# KiCad board EKO_Miner_PowerBoard-53667.kicad_pcb (continued)
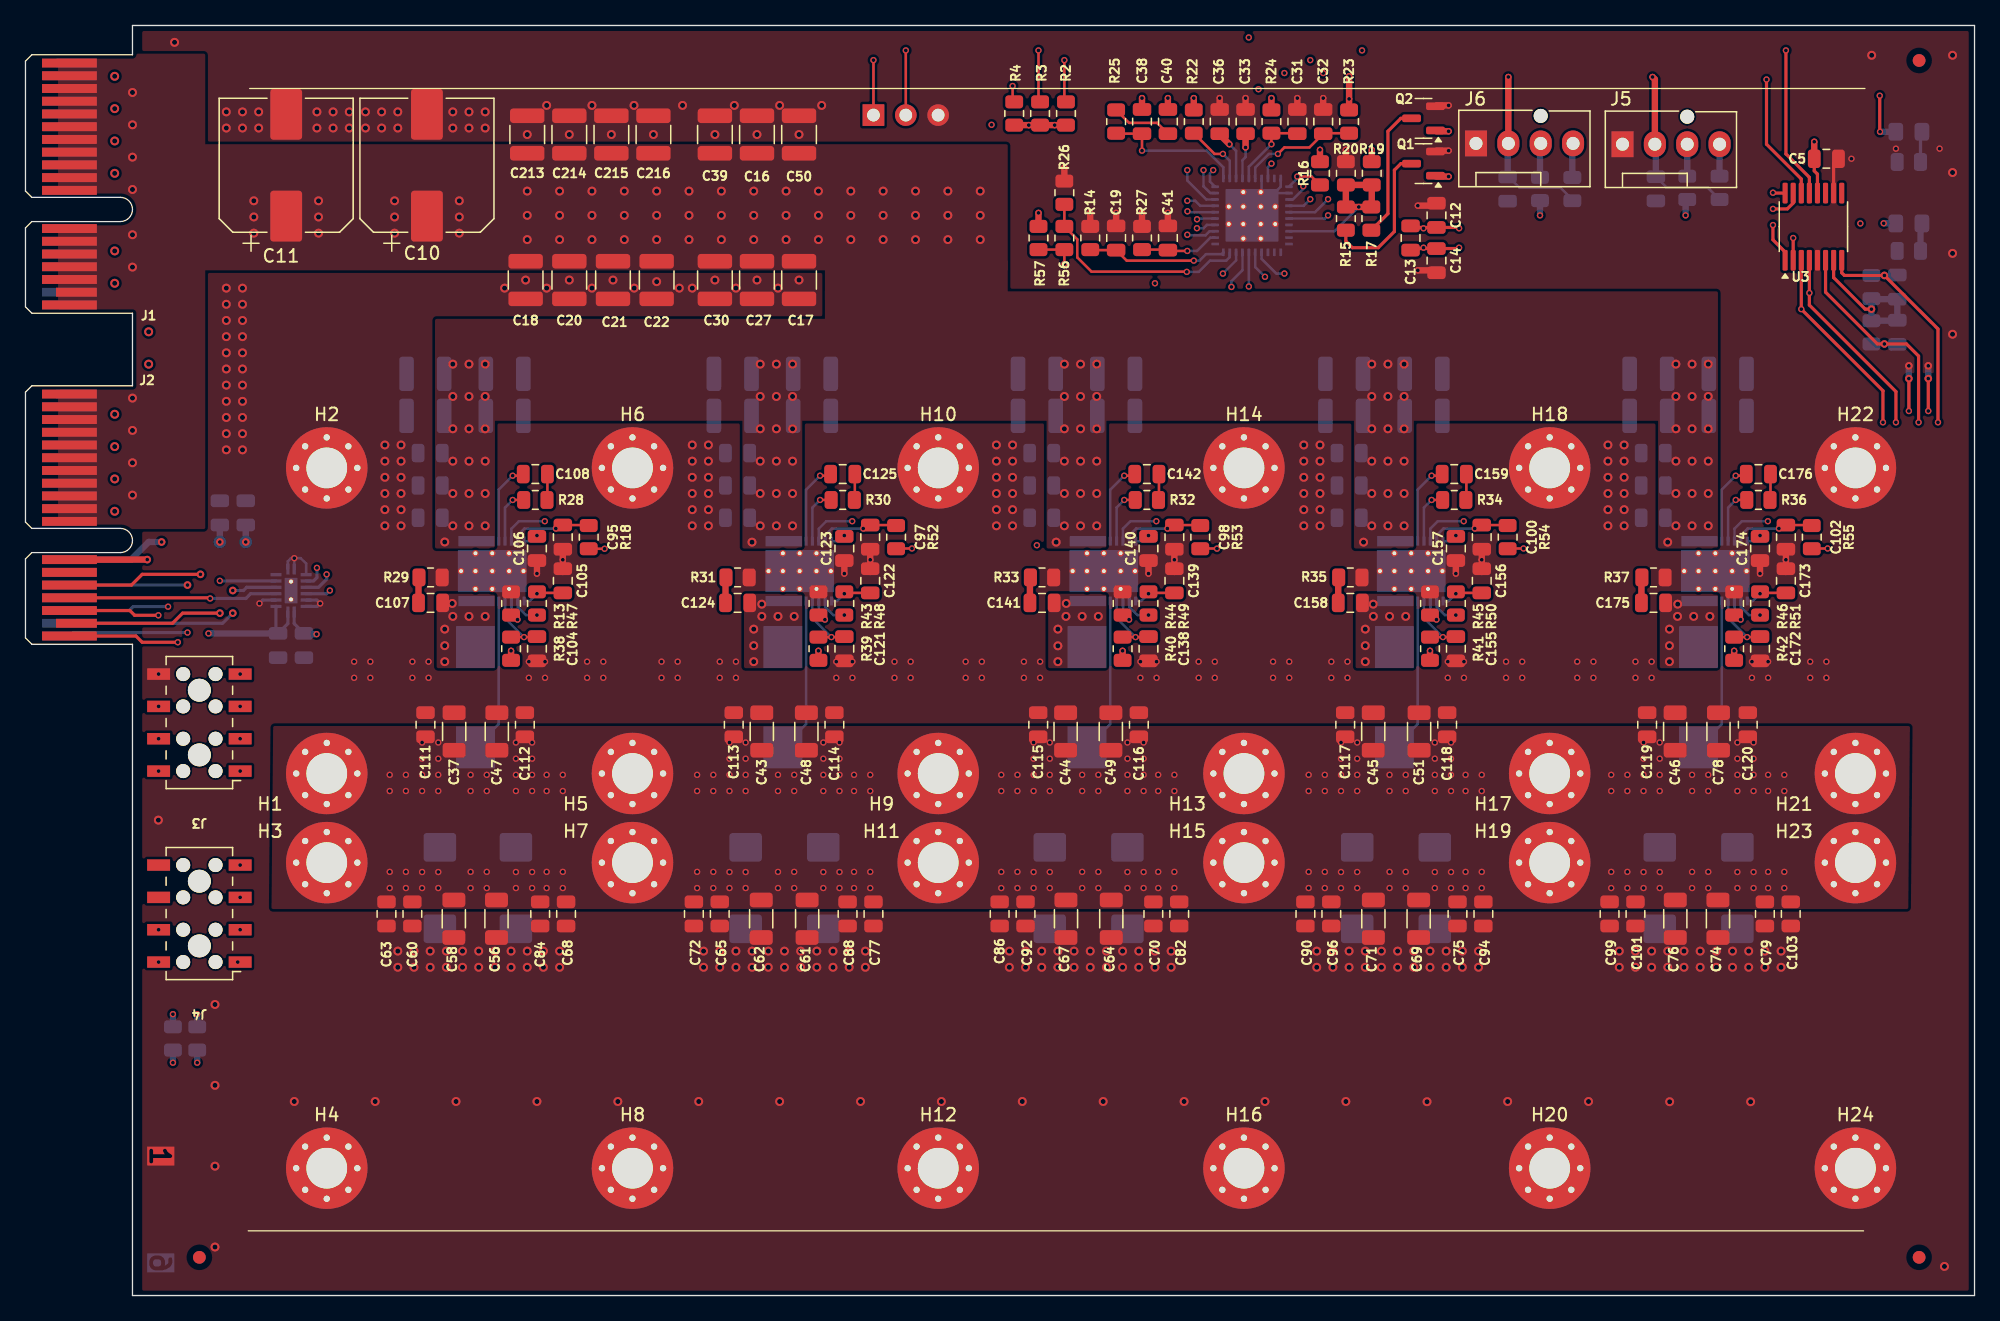
[diagram p0: board, top side]
## Library data of the parts (continued)
J5 J6 = -: PARTNO: 0470531000; DK: WM4330-ND; ki_fp_filters: Connector*:*_1x??_*
J9 = -: Description: Generic connector, single row, 01x03, script generated (kicad-library-utils/schlib/autogen/connector/); ki_fp_filters: Connector*:*_1x??_*
L1-L5 = -: P/N MOUSER: 504-FP1008R5-R220-R; Height: 5.1mm; ki_fp_filters: Choke_* *Coil* Inductor_* L_*
NT3 NT4 = -: Description: Net tie, 2 pins; ki_fp_filters: Net*Tie*
Q1 Q2 = -: Datasheet: https://www.onsemi.com/pub/Collateral/BSS138-D.PDF; Description: 50V Vds, 0.22A Id, N-Channel MOSFET, SOT-23; ki_fp_filters: SOT?23*
R1-R10 R15-R17 R21 = -: ki_fp_filters: R_*
R11 R12 = -: Description: Resistor, small symbol; P/N MOUSER: 603-RT0805DRE0751RL; ki_fp_filters: R_*
R13 R43-R46 = -: Description: Resistor; Distributor: D; P/N MOUSER: 279-CRG0805F100K; ki_fp_filters: R_*
R14 = -: Description: Resistor; Distributor: D; P/N DIGIKEY: RMCF0805FT121KCT-ND; P/N MOUSER: 603-RT0805FRE07121KL; ki_fp_filters: R_*
R18 R52-R55 = -: Description: Resistor; Distributor: D; ki_fp_filters: R_*
R19 = -: P/N MOUSER: 603-RC0805FR-0716K5L; ki_fp_filters: R_*
R20 = -: P/N MOUSER: 603-RC0805FR-0724K3L; ki_fp_filters: R_*
R22 = -: Description: Resistor; Distributor: D; P/N DIGIKEY: 311-2.55KCRCT-ND; P/N MOUSER: 667-ERJ-P06F2551V; ki_fp_filters: R_*
R23 R24 = -: Description: Resistor; Manufacturer: RCS08052R20FKEA; P/N MOUSER: 71-RCS08052R20FKEA; ki_fp_filters: R_*
R25 = -: Description: Resistor; P/N MOUSER: 603-RC0805FR-078K06L; ki_fp_filters: R_*
R26 = -: Description: Resistor; P/N MOUSER: 279-CRG0805F100K; ki_fp_filters: R_*
R27 = -: Description: Resistor; Distributor: D; P/N DIGIKEY: 311-49.9KCRCT-ND; P/N MOUSER: 652-CR0805FX-4992ELF; ki_fp_filters: R_*
R28 R30 R32 R34 R36 R47-R51 R56 R57 = -: Description: Resistor; Distributor: D; P/N MOUSER: 71-CRCW08050000Z0ECC; ki_fp_filters: R_*
R29 R31 R33 R35 R37 = -: Description: Resistor; Distributor: D; P/N MOUSER: 791-WR08W1R00FTL; ki_fp_filters: R_*
R38-R42 = -: Description: Resistor; Manufacturer: WR08W1R00FTL; P/N MOUSER: 791-WR08W1R00FTL; ki_fp_filters: R_*
TP4 TP5 = -: ki_fp_filters: Pin* Test*
U2 = -: Datasheet: https://www.ti.com/lit/ds/symlink/sn74avc4t245.pdf; Description: 4-Bit Dual-Supply Bus Transceiver With Configurable Voltage Translation and 3-State Outputs, WQFN16; P/N MOUSER: 595-SN74AXC4T245BQBR; ki_fp_filters: TSSOP*4.4x5mm*P0.65mm*
U3 = -: MF: Maxim Integrated Products; Description_1: Fan Control, Temp Monitor -40°C ~ 125°C Internal and External Sensor SMBus Output 16-QSOP; Package: None; Price: None; MP: MAX6615AEE+; Check_prices: https://www.snapeda.com/parts/MAX6615AEE+/Analog+Devices/view-part/?ref=eda; P/N MOUSER: 700-MAX6615AEE
U4 = -: MF: Texas Instruments; MAXIMUM_PACKAGE_HEIGHT: 0.8mm; Package: WQFN-40 Texas Instruments; Price: None; Check_prices: https://www.snapeda.com/parts/TPS53667RTAR/Texas+Instruments/view-part/?ref=eda; STANDARD: Manufacturer Recommendations; PARTREV: B; Description_1: 6-Phase, D-CAP+ step-down driverless buck controller with NVM and PMBus interface for ASIC; P/N MOUSER: 595-TPS53667RTAT
U9-U13 = -: P/N MOUSER: 595-CSD95490Q5MC; Field5: Designator322; ki_fp_filters: DMC0012A

## Footprints (pads in the part's own frame, mm; a bottom-side part is the same pattern mirrored in y, then rotated)
BUS_PCIexpress_x1
  rect 0.7x3.2 smd far side: A1(0,0.55)
  rect 0.7x4.3 smd far side: A2(1,0) A3(2,0) A4(3,0) A5(4,0) A6(5,0) A7(6,0) A8(7,0) A9(8,0) A10(9,0) A11(10,0) A12(13,0) A13(14,0) A14(15,0) A15(16,0) A16(17,0) A17(18,0) A18(19,0)
  rect 0.7x4.3 smd: B1(0,0) B2(1,0) B3(2,0) B4(3,0) B5(4,0) B6(5,0) B7(6,0) B8(7,0) B9(8,0) B10(9,0) B11(10,0) B12(13,0) B13(14,0) B14(15,0) B15(16,0) B16(17,0) B18(19,0)
  rect 0.7x3.2 smd: B17(18,0.55)
C_0805_2012Metric
  rrect 1x1.45 smd: 1(-0.95,0) 2(0.95,0)
C_1206_3216Metric
  rrect 1.15x1.8 smd: 1(-1.475,0) 2(1.475,0)
C_1210_3225Metric
  rrect 1.15x2.7 smd: 1(-1.475,0) 2(1.475,0)
CP_EIA-7343-31_Kemet-D_Pad2.25x2.55mm_HandSolder
  rrect 2.25x2.55 smd: 1(-3.2,0) 2(3.2,0)
CP_Elec_10x10
  rrect 4x2.5 smd: 1(-4,0) 2(4,0)
CSD95490Q5MC
  rect 0.7x0.25 smd: 1(-2.35,2.501) 2(-2.35,2.001) 3(-2.35,1.5) 4(-2.35,1) 5(-2.35,0.5) 8(2.35,0.5) 9(2.35,1) 10(2.35,1.5) 11(2.35,2.001) 12(2.35,2.501)
  rect 0.8x2.85 smd: 6(-2.35,-1.25) 7(2.35,-1.25)
  round 0.5 hole 0.3: 13(-1.4,-1.32) 13(-1.4,0) 13(-1.4,1.32) 13(0,2.45) 13(0,-2.45) 13(0,0) 13(0,1.32) 13(0,-1.32) 13(1.4,0) 13(1.4,1.32) 13(1.4,-1.32)
  rect 3.3x5.4 smd: 13(0,0)
FanPinHeader_1x04_P2.54mm_Vertical
  round 1.1 hole 1.1 unplated: (5.08,2.16)
  rect 1.73x2.03 hole 1.02: 1(0,0)
  oval 1.73x2.03 hole 1.02: 2(2.54,0) 3(5.08,0) 4(7.62,0)
Fiducial_1mm_Mask2mm
  round 1 smd: (0,0)
INDM1031X765N
  rect 3.3x3.05 smd: 1(-3.935,0) 2(3.935,0)
LED_0805_2012Metric_Pad1.15x1.40mm_HandSolder
  rrect 1.15x1.4 smd: 1(-1.025,0) 2(1.025,0)
M20_7810445
  round 1.1 hole 1.1 unplated: (-1.27,3.81) (-1.27,1.27) (-1.27,-1.27) (-1.27,-3.81) (1.27,3.81) (1.27,1.27) (1.27,-1.27) (1.27,-3.81)
  round 1.8 hole 1.8 unplated: (0,2.54) (0,-2.54)
  rect 1.8x0.9 smd: 1(-3.2,3.81) 2(3.2,3.81) 3(-3.2,1.27) 4(3.2,1.27) 5(-3.2,-1.27) 6(3.2,-1.27) 7(-3.2,-3.81) 8(3.2,-3.81)
MountingHole_3.2mm_M3_Pad_Via
  round 0.8 hole 0.5: 1(-2.4,0) 1(-1.697,1.697) 1(-1.697,-1.697) 1(0,2.4) 1(0,-2.4) 1(1.697,1.697) 1(1.697,-1.697) 1(2.4,0)
  round 6.4 hole 3.2: 1(0,0)
NetTie-2_SMD_Pad0.5mm
  round 0.5 smd: 1(-0.5,0) 2(0.5,0)
PinHeader_1x03_P2.54mm_Vertical
  rect 1.7x1.7 hole 1: 1(0,0)
  oval 1.7x1.7 hole 1: 2(0,-2.54) 3(0,-5.08)
QFN50P350X250X80-17N
  rrect 0.26x0.86 smd: 1(-0.25,1.685) 8(-0.25,-1.685) 9(0.25,-1.685) 16(0.25,1.685)
  rrect 0.86x0.26 smd: 2(-1.185,1.25) 3(-1.185,0.75) 4(-1.185,0.25) 5(-1.185,-0.25) 6(-1.185,-0.75) 7(-1.185,-1.25) 10(1.185,-1.25) 11(1.185,-0.75) 12(1.185,-0.25) 13(1.185,0.25) 14(1.185,0.75) 15(1.185,1.25)
  round 0.4 hole 0.3: 9(0,-0.7) 9(0,0.7)
  rect 1x2 smd: 9(0,0)
QSOP-16_3.9x4.9mm_P0.635mm
  rrect 1.625x0.4 smd: 1(-2.638,2.223) 2(-2.638,1.587) 3(-2.638,0.953) 4(-2.638,0.318) 5(-2.638,-0.318) 6(-2.638,-0.953) 7(-2.638,-1.587) 8(-2.638,-2.223) 9(2.638,-2.223) 10(2.638,-1.587) 11(2.638,-0.953) 12(2.638,-0.318) 13(2.638,0.318) 14(2.638,0.953) 15(2.638,1.587) 16(2.638,2.223)
R_0805_2012Metric
  rrect 1.025x1.4 smd: 1(-0.912,0) 2(0.912,0)
SOT-23
  rrect 1.475x0.6 smd: 1(-0.938,0.95) 2(-0.938,-0.95) 3(0.938,0)
TestPoint_Pad_D1.0mm
  round 1 smd: 1(0,0)
TPS53667RTAR
  rrect 0.6x0.22 smd: 1(-2.9,2.25) 2(-2.9,1.75) 3(-2.9,1.25) 4(-2.9,0.75) 5(-2.9,0.25) 6(-2.9,-0.25) 7(-2.9,-0.75) 8(-2.9,-1.25) 9(-2.9,-1.75) 10(-2.9,-2.25) 21(2.9,-2.25) 22(2.9,-1.75) 23(2.9,-1.25) 24(2.9,-0.75) 25(2.9,-0.25) 26(2.9,0.25) 27(2.9,0.75) 28(2.9,1.25) 29(2.9,1.75) 30(2.9,2.25)
  rrect 0.22x0.6 smd: 11(-2.25,-2.9) 12(-1.75,-2.9) 13(-1.25,-2.9) 14(-0.75,-2.9) 15(-0.25,-2.9) 16(0.25,-2.9) 17(0.75,-2.9) 18(1.25,-2.9) 19(1.75,-2.9) 20(2.25,-2.9) 31(2.25,2.9) 32(1.75,2.9) 33(1.25,2.9) 34(0.75,2.9) 35(0.25,2.9) 36(-0.25,2.9) 37(-0.75,2.9) 38(-1.25,2.9) 39(-1.75,2.9) 40(-2.25,2.9)
  round 0.5 hole 0.3: 41(-1.825,-0.685) 41(-1.825,0.685) 41(-0.685,-1.825) 41(-0.685,-0.685) 41(-0.685,0.685) 41(-0.685,1.825) 41(0.685,-1.825) 41(0.685,-0.685) 41(0.685,0.685) 41(0.685,1.825) 41(1.825,-0.685) 41(1.825,0.685)
  rrect 4.15x4.15 smd: 41(0,0)

## Nets
+3V3: C3.1 C5.1 C33.1 D1.2 R2.2 R3.2 R4.2 R7.2 R8.2 R16.1 R57.2 U2.1 U2.2 U3.12 U4.14 U4.23
+5V_PSU: C55.1 J2.A12 TP4.1
+5V_STDBY: C53.1 J2.B12 J3.2 R24.1 R38.1 R39.1 R40.1 R41.1 R42.1 TP5.1
+12V_PWR: C1.1 C2.1 C8.1 C9.1 C10.1 C11.1 C15.1 C16.1 C17.1 C18.1 C20.1 C21.1 C22.1 C23.1 C24.1 C25.1 C26.1 C27.1 C28.1 C29.1 C30.1 C34.1 C35.1 C39.1 C42.1 C50.1 C52.1 C54.1 C57.1 C59.1 C66.1 C73.1 C80.1 C132.1 C133.1 C134.1 C135.1 C191.1 C192.1 C203.1 C204.1 C205.1 C206.1 C207.1 C208.1 C209.1 C210.1 C211.1 C212.1 C213.1 C214.1 C215.1 C216.1 J1.B1 J1.B2 J1.B3 J1.B4 J1.B5 J1.B6 J1.B7 J1.B8 J1.B9 J1.B10 J1.B11 J1.B12 J1.B13 J1.B14 J1.B15 J1.B16 J1.B17 J1.B18 J2.B1 J2.B2 J2.B3 J2.B4 J2.B5 J2.B6 J2.B7 J2.B8 J2.B9 J2.B10 J2.B11 J5.2 J6.2 R9.2 R10.2 R23.1 U9.7 U10.7 U11.7 U12.7 U13.7
GND: C1.2 C2.2 C3.2 C4.2 C5.2 C8.2 C9.2 C10.2 C11.2 C12.1 C14.2 C15.2 C16.2 C17.2 C18.2 C19.2 C20.2 C21.2 C22.2 C23.2 C24.2 C25.2 C26.2 C27.2 C28.2 C29.2 C30.2 C31.1 C32.2 C33.2 C34.2 C35.2 C36.2 C37.2 C39.2 C41.2 C42.2 C43.2 C44.2 C45.2 C46.2 C47.2 C48.2 C49.2 C50.2 C51.2 C52.2 C53.2 C54.2 C55.2 C56.2 C57.2 C58.2 C59.2 C60.2 C61.2 C62.2 C63.2 C64.2 C65.2 C66.2 C67.2 C68.2 C69.2 C70.2 C71.2 C72.2 C73.2 C74.2 C75.2 C76.2 C77.2 C78.2 C79.2 C80.2 C82.2 C84.2 C86.2 C88.2 C90.2 C92.2 C94.2 C95.1 C96.2 C97.1 C98.1 C99.2 C100.1 C101.2 C102.1 C103.2 C104.2 C105.2 C106.2 C109.2 C110.2 C111.2 C112.2 C113.2 C114.2 C115.2 C116.2 C117.2 C118.2 C119.2 C120.2 C121.2 C122.2 C123.2 C126.2 C127.2 C132.2 C133.2 C134.2 C135.2 C138.2 C139.2 C140.2 C143.2 C144.2 C155.2 C156.2 C157.2 C160.2 C161.2 C172.2 C173.2 C174.2 C177.2 C178.2 C191.2 C192.2 C203.2 C204.2 C205.2 C206.2 C207.2 C208.2 C209.2 C210.2 C211.2 C212.2 C213.2 C214.2 C215.2 C216.2 H2.1 H4.1 H6.1 H8.1 H10.1 H12.1 H14.1 H16.1 H18.1 H20.1 H22.1 H24.1 J1.A1 J1.A2 J1.A3 J1.A4 J1.A5 J1.A6 J1.A7 J1.A8 J1.A9 J1.A10 J1.A11 J1.A12 J1.A13 J1.A14 J1.A15 J1.A16 J1.A17 J1.A18 J2.A1 J2.A2 J2.A3 J2.A4 J2.A5 J2.A6 J2.A7 J2.A8 J2.A9 J2.A10 J2.A11 J3.8 J5.1 J6.1 J9.3 NT3.1 NT4.1 Q1.2 Q2.2 R1.1 R13.2 R14.1 R20.2 R21.1 R26.1 R27.1 R29.1 R31.1 R33.1 R35.1 R37.1 R43.2 R44.2 R45.2 R46.2 U2.3 U2.8 U2.9 U2.10 U2.14 U2.15 U3.5 U3.10 U4.17 U4.20 U4.22 U4.41 U9.13 U10.13 U11.13 U12.13 U13.13
+VLOGIC_HB: C4.1 J3.7 U2.16
+VREF: C36.1 C38.2 C40.2 C105.1 C122.1 C139.1 C156.1 C173.1 R19.1 R22.2 R47.2 R48.2 R49.2 R50.2 R51.2 U4.8 U4.13 U9.1 U10.1 U11.1 U12.1 U13.1
/ALERTn_oc: J2.B14 R4.1 U4.25
/CI: J3.3 U2.12
/CTN1: C6.1 J4.5 R5.2 U3.6
/CTN1_RTN: J4.7 NT4.2
/CTN2: C7.2 J4.1 R6.1 U3.8
/CTN2_RTN: J4.3 NT3.2
/DB_RX: J2.B17 U2.6
/DB_TX: J2.A17 U2.5
/FAN/FAN1_PWM: J6.4 R9.1 U3.1
/FAN/FAN1_TACH: J6.3 R7.1 U3.2
/FAN/FAN2_PWM: J5.4 R10.1 U3.16
/FAN/FAN2_TACH: J5.3 R8.1 U3.15
/ID0: J2.A18 Q1.1 U3.3
/ID1: J2.B18 Q2.1 U3.4
/PSU_53667/ADDR-TRISE: R15.1 R17.1 R19.2 R20.1 U4.28
/PSU_53667/FCCM: R18.1 R52.1 R53.1 R54.1 R55.1 R56.1 R57.1
/PSU_53667/TPS_CSP1: R47.1 U4.3 U9.2
/PSU_53667/TPS_CSP2: R48.1 U4.4 U10.2
/PSU_53667/TPS_CSP3: R49.1 U4.5 U11.2
/PSU_53667/TPS_CSP4: R50.1 U4.6 U12.2
/PSU_53667/TPS_CSP5: R51.1 U4.7 U13.2
/PSU_53667/TPS_PWM1: U4.38 U9.10
/PSU_53667/TPS_PWM2: U4.37 U10.10
/PSU_53667/TPS_PWM3: U4.36 U11.10
/PSU_53667/TPS_PWM4: U4.35 U12.10
/PSU_53667/TPS_PWM5: U4.34 U13.10
/PSU_53667/TSEN: C19.1 C106.1 C123.1 C140.1 C157.1 C174.1 R14.2 U4.40 U9.12 U10.12 U11.12 U12.12 U13.12
/PSU_53667/VR_RDY: D2.2 U4.18
/PSU_53667/VSENSE+: C12.2 C13.1 R11.2 U4.9
/PSU_53667/VSENSE-: C13.2 C14.1 R12.2 U4.10
/RO: J3.5 U2.11
/RST_ASICn: J2.B15 U2.4
/RST_BUCKn: J2.A14 R16.2 U4.21
/RSTIn: J3.1 U2.13
/SCL: J2.A16 J3.4 J9.1 R2.1 U3.14 U4.24
/SDA: J2.B16 J3.6 J9.2 R3.1 U3.13 U4.26
/VSN: J4.4 R12.1
/VSP: J4.2 R11.1
VPWR_ASIC: C37.1 C43.1 C44.1 C45.1 C46.1 C47.1 C48.1 C49.1 C51.1 C56.1 C58.1 C60.1 C61.1 C62.1 C63.1 C64.1 C65.1 C67.1 C68.1 C69.1 C70.1 C71.1 C72.1 C74.1 C75.1 C76.1 C77.1 C78.1 C79.1 C82.1 C84.1 C86.1 C88.1 C90.1 C92.1 C94.1 C96.1 C99.1 C101.1 C103.1 C109.1 C110.1 C111.1 C112.1 C113.1 C114.1 C115.1 C116.1 C117.1 C118.1 C119.1 C120.1 C126.1 C127.1 C143.1 C144.1 C160.1 C161.1 C177.1 C178.1 H1.1 H3.1 H5.1 H7.1 H9.1 H11.1 H13.1 H15.1 H17.1 H19.1 H21.1 H23.1 L1.2 L2.2 L3.2 L4.2 L5.2 U9.5 U10.5 U11.5 U12.5 U13.5
Net-(C40-Pad1): C40.1 R25.1
Net-(C107-Pad2): C107.2 R29.2
Net-(C108-Pad1): C108.1 R28.1
Net-(C124-Pad2): C124.2 R31.2
Net-(C125-Pad1): C125.1 R30.1
Net-(C141-Pad2): C141.2 R33.2
Net-(C142-Pad1): C142.1 R32.1
Net-(C158-Pad2): C158.2 R35.2
Net-(C159-Pad1): C159.1 R34.1
Net-(C175-Pad2): C175.2 R37.2
Net-(C176-Pad1): C176.1 R36.1
Net-(D1-K): D1.1 R1.2
Net-(D2-K): D2.1 R21.2
Net-(Q1-D): Q1.3 R15.2
Net-(Q2-D): Q2.3 R17.2
Net-(U3-REF): C6.2 C7.1 R5.1 R6.2 U3.7
Net-(U4-COMP): C38.1 R25.2 U4.11
Net-(U4-IMON): C41.1 R27.2 U4.2
Net-(U4-ISUM): R22.1 U4.12
Net-(U4-V5): C31.2 R24.2 U4.15
Net-(U4-VIN): C32.1 R23.2 U4.16
Net-(U4-~{SKIP}-NVM): R26.2 R56.2 U4.39
Net-(U9-BOOT): R28.2 U9.9
Net-(U9-BOOTR): C108.2 U9.8
Net-(U9-EN_FCCM): C95.2 R18.2 U9.11
Net-(U9-LSET): R13.1 U9.3
Net-(U9-SW): C107.1 L1.1 U9.6
Net-(U9-VDD): C104.1 R38.2 U9.4
Net-(U10-BOOT): R30.2 U10.9
Net-(U10-BOOTR): C125.2 U10.8
Net-(U10-EN_FCCM): C97.2 R52.2 U10.11
Net-(U10-LSET): R43.1 U10.3
Net-(U10-SW): C124.1 L2.1 U10.6
Net-(U10-VDD): C121.1 R39.2 U10.4
Net-(U11-BOOT): R32.2 U11.9
Net-(U11-BOOTR): C142.2 U11.8
Net-(U11-EN_FCCM): C98.2 R53.2 U11.11
Net-(U11-LSET): R44.1 U11.3
Net-(U11-SW): C141.1 L3.1 U11.6
Net-(U11-VDD): C138.1 R40.2 U11.4
Net-(U12-BOOT): R34.2 U12.9
Net-(U12-BOOTR): C159.2 U12.8
Net-(U12-EN_FCCM): C100.2 R54.2 U12.11
Net-(U12-LSET): R45.1 U12.3
Net-(U12-SW): C158.1 L4.1 U12.6
Net-(U12-VDD): C155.1 R41.2 U12.4
Net-(U13-BOOT): R36.2 U13.9
Net-(U13-BOOTR): C176.2 U13.8
Net-(U13-EN_FCCM): C102.2 R55.2 U13.11
Net-(U13-LSET): R46.1 U13.3
Net-(U13-SW): C175.1 L5.1 U13.6
Net-(U13-VDD): C172.1 R42.2 U13.4

Pads without a net: J2 A13 A15 B13; J4 6 8; U2 7; U3 9 11; U4 1 19 27 29 30 31 32 33

## Via types
v1: diameter 0.7, hole 0.4, Top to Bottom, 485 vias
v2: diameter 0.5, hole 0.3, Top to Bottom, 518 vias
v3: diameter 0.6, hole 0.3, Top to Bottom, 16 vias

## Routing (per net, layer and track width the routed paths; a pad name or vN(x,y) marks a point on that pad's centre or on a via; arc(x,y) is an arc through that point)
+3V3: length 134.5
  Top w0.25: C5.1 140.42,88.33 140.67,88.07 U3.12
  Top w0.5: 79.52,84.07 v2(79.52,85.03) ; C5.1 v2(140.42,90.62) ; v2(95.78,90.17) C33.1 ; R4.2 v2(78.76,91.92) v2(80.79,91.92) R2.2 ; 101.62,89.03 v2(101.62,89.98)
  In2.Cu w0.2: v2(145.87,84.21) 144.05,84.21 v2(144.04,84.2) ; v2(14.37,52) 14.37,52.55 13.73,53.18 13.73,55.5 14.5,56.26 14.5,92.71 16.15,94.36 73.42,94.36 v2(75.84,91.95)
  Bottom w0.2: v2(95.78,90.17) 95.78,89.41 95.53,89.17 U4.14 ; v2(100.31,87.12) 100.31,86.9 99.49,86.09 U4.23
  Bottom w0.25: C3.1 20.6,52.77 U2.1 ; U2.2 19.66,52.17
  Bottom w0.5: 130.32,86.08 v2(130.32,84.84) ; C3.1 v2(14.37,52) ; 118.89,86.08 v2(118.89,84.84) ; 146.89,84.21 v2(145.87,84.21)
+5V_PSU: length 13.7
  In3.Cu w0.5: v3(10.69,59.18) v3(15.26,59.18)
  Bottom w0.5: C55.1 v3(15.26,59.18) ; v3(10.69,59.18) 9.67,59.18 8.29,57.8 J2.A12
+5V_STDBY: length 297.6
  Top w0.5: 38.12,49.91 v2(38.12,50.64) ; J2.B12 v3(9.56,57.8) ; 62.25,49.91 v2(62.25,50.64) ; 110.25,49.91 v2(110.25,50.64) ; 134.13,49.91 v2(134.13,50.64) ; 97.81,93.09 v2(97.81,94.05) ; 86.12,49.91 v2(86.12,50.64)
  In2.Cu w0.5: v2(10.45,41.19) 9.56,42.08 v3(9.56,57.8) 9.56,59.32 10.69,60.45 10.69,94.23 15.26,98.81 v2(96.03,98.81)
  In3.Cu w0.2: 62.25,50.67 61.23,51.69 41.67,51.69 40.62,50.64 38.37,50.64 ; 86.12,50.67 85.11,51.69 79.41,51.69 79.39,51.68 65.54,51.68 64.5,50.64 v2(62.25,50.64) ; 86.38,50.64 88.63,50.64 89.68,51.69 103.4,51.69 ; 103.4,51.69 109.2,51.69 v2(110.25,50.64) 112.5,50.64 113.56,51.69 133.11,51.69 134.13,50.67 v2(134.13,50.64) ; 103.4,51.69 109.24,51.69 110.25,50.67 ; v2(38.12,50.64) 35.49,50.64 34.44,51.69 30.75,51.69 23.26,59.18 v3(17.29,59.18)
  In3.Cu w0.5: v2(96.03,98.81) 96.03,97.03 97.81,95.25 v2(97.81,94.05) ; v3(9.56,57.8) 15.91,57.8 v3(17.29,59.18)
  Bottom w0.5: C53.1 v3(17.29,59.18)
+12V_PWR: length 85.6
  Top w0.5: v2(103.9,95.76) v2(103.9,93.98) 103.9,93.09 ; J6.2 v2(116.41,95.7) ; J5.2 127.91,95.52 v2(127.72,95.7)
  In2.Cu w0.5: v2(103.9,93.98) 102.13,92.2 86.76,92.2 84.47,89.92 80.79,89.92 77.62,86.74 v1(74.95,86.74) ; v2(103.9,95.76) 116.35,95.76 v2(116.41,95.7) 116.46,95.76 127.67,95.76 v2(127.72,95.7)
  Bottom w0.2: 121.43,86.07 120.5,87 117.29,87 116.35,87.94 ; C9.1 128.86,87 132.07,87 R10.2
  Bottom w0.5: C9.1 127.99,90.34 ; 116.35,87.94 116.35,90.43
  vias: v1(8.4,94.49) v1(8.4,91.95) v1(8.4,89.41) v1(8.4,86.87) v1(8.4,83.31) v1(8.4,80.77) v1(8.4,70.48) v1(8.4,67.94) v1(8.4,65.41) v1(8.4,62.87) v1(17.93,85.98) v1(17.93,84.71) v1(17.93,83.44) v1(23.01,85.98) v1(23.01,84.71) v1(23.01,83.44) v1(28.97,85.98) v1(28.97,84.71) v1(28.97,83.44) v1(32.91,59.18) v1(33.55,73.15) v1(33.55,70.61) v1(33.55,68.07) v1(33.55,65.53) v1(33.55,62.99) v1(33.55,60.45) v1(34.05,85.98) v1(34.05,84.71) v1(34.05,83.44) v1(34.82,73.15) v1(34.82,70.61) v1(34.82,68.07) v1(34.82,65.53) v1(34.82,62.99) v1(34.82,60.45) v1(36.09,73.15) v1(36.09,70.61) v1(36.09,68.07) v1(36.09,65.53) v1(36.09,62.99) v1(36.09,60.45) v1(39.39,86.74) v1(39.39,84.84) v1(39.39,82.93) v1(41.93,86.74) v1(41.93,84.84) v1(41.93,82.93) v1(44.47,86.74) v1(44.47,84.84) v1(44.47,82.93) v1(47.01,86.74) v1(47.01,84.84) v1(47.01,82.93) v1(49.55,86.74) v1(49.55,84.84) v1(49.55,82.93) v1(52.09,86.74) v1(52.09,84.84) v1(52.09,82.93) v1(54.63,86.74) v1(54.63,84.84) v1(54.63,82.93) v1(57.03,59.17) v1(57.17,86.74) v1(57.17,84.84) v1(57.17,82.93) v1(57.68,73.15) v1(57.68,70.61) v1(57.68,68.07) v1(57.68,65.53) v1(57.68,62.99) v1(57.68,60.45) v1(58.95,73.15) v1(58.95,70.61) v1(58.95,68.07) v1(58.95,65.53) v1(58.95,62.99) v1(58.95,60.45) v1(59.71,86.74) v1(59.71,84.84) v1(59.71,82.93) v1(60.22,73.15) v1(60.22,70.61) v1(60.22,68.07) v1(60.22,65.53) v1(60.22,62.99) v1(60.22,60.45) v1(62.25,86.74) v1(62.25,84.84) v1(62.25,82.93) v1(64.79,86.74) v1(64.79,84.84) v1(64.79,82.93) v1(67.33,86.74) v1(67.33,84.84) v1(67.33,82.93) v1(69.87,86.74) v1(69.87,84.84) v1(69.87,82.93) v1(72.41,86.74) v1(72.41,84.84) v1(72.41,82.93) v1(74.95,84.84) v1(74.95,82.93) v1(80.91,59.17) v1(81.55,73.15) v1(81.55,70.61) v1(81.55,68.07) v1(81.55,65.53) v1(81.55,62.99) v1(81.55,60.45) v1(82.82,73.15) v1(82.82,70.61) v1(82.82,68.07) v1(82.82,65.53) v1(82.82,62.99) v1(82.82,60.45) v1(84.09,73.15) v1(84.09,70.61) v1(84.09,68.07) v1(84.09,65.53) v1(84.09,62.99) v1(84.09,60.45) v1(105.04,59.17) v1(105.68,73.15) v1(105.68,70.61) v1(105.68,68.07) v1(105.68,65.53) v1(105.68,62.99) v1(105.68,60.45) v1(106.95,73.15) v1(106.95,70.61) v1(106.95,68.07) v1(106.95,65.53) v1(106.95,62.99) v1(106.95,60.45) v1(108.22,73.15) v1(108.22,70.61) v1(108.22,68.07) v1(108.22,65.53) v1(108.22,62.99) v1(108.22,60.45) v1(128.91,59.17) v1(129.56,73.15) v1(129.56,70.61) v1(129.56,68.07) v1(129.56,65.53) v1(129.56,62.99) v1(129.56,60.45) v1(130.83,73.15) v1(130.83,70.61) v1(130.83,68.07) v1(130.83,65.53) v1(130.83,62.99) v1(130.83,60.45) v1(132.1,73.15) v1(132.1,70.61) v1(132.1,68.07) v1(132.1,65.53) v1(132.1,62.99) v1(132.1,60.45)
GND: length 40.9
  Top w0.25: U3.10 141.94,88.9 C5.2
  Top w0.5: 81.55,87.63 v2(81.55,88.59) ; 112.29,57.66 v2(112.29,56.7) ; 101.87,93.09 v2(101.87,94.05) ; 40.15,57.66 v2(40.15,56.7) ; 114.32,58.55 v2(114.32,57.79) 114.32,56.83 ; 99.84,93.09 v2(99.84,94.05) ; 136.16,57.66 v2(136.16,56.7) ; 93.74,93.09 v2(93.74,94.05) ; 110.76,89.92 v2(111.72,89.92) ; 95.78,93.09 v2(95.78,94.05) ; 110.25,80.52 v2(109.3,80.52) ; 66.31,58.55 v2(66.31,57.78) 66.31,56.83 ; 88.16,57.66 v2(88.16,56.7) ; 90.19,56.83 v2(90.19,57.79) 90.19,58.55 ; 103.65,89.03 v2(103.65,89.98) ; 83.58,84.07 v2(83.58,85.03) ; 110.25,85.6 v2(109.3,85.6) ; 89.68,84.07 v2(89.68,85.03) ; 85.62,84.07 v2(85.62,85.03) ; 42.18,58.55 v2(42.18,57.78) 42.18,56.83 ; 138.19,56.83 v2(138.19,57.79) 138.19,58.55 ; 64.28,57.66 v2(64.28,56.7) ; 110.76,93.47 v2(111.72,93.47) ; 87.65,84.07 v2(87.65,85.03)
  Bottom w0.2: U4.20 98.53,87.09 98.11,86.66 ; v2(21.1,57.91) 20.85,57.91 20.6,57.66 U2.8 ; v2(21.1,57.91) 21.61,57.91 22.03,57.49 U2.10 ; v2(21.1,57.91) 21.1,57.91 U2.9 ; U4.22 98.03,86.59 ; U4.17 97.03,86.73
  Bottom w0.25: U2.3 18.63,54.62 v2(18.37,54.36) ; U2.15 22.9,54.12 v2(23.13,54.36) 22.87,54.62 U2.14
  vias: v1(7,95.76) v1(7,93.22) v1(7,90.68) v1(7,88.14) v1(7,82.04) v1(7,79.5) v1(7,69.22) v1(7,66.67) v1(7,64.13) v1(7,61.59) v1(9.67,75.69) v1(9.67,73.15) v1(10.43,37.34) v1(11.7,98.42) v1(14.88,22.86) v1(14.88,16.51) v1(14.88,10.16) v1(14.88,3.81) v1(15.77,92.96) v1(15.77,91.69) v1(15.77,79.12) v1(15.77,77.85) v1(15.77,76.58) v1(15.77,75.31) v1(15.77,74.04) v1(15.77,72.77) v1(15.77,71.5) v1(15.77,70.23) v1(15.77,68.96) v1(15.77,67.69) v1(15.77,66.42) v1(17.04,92.96) v1(17.04,91.69) v1(17.04,79.12) v1(17.04,77.85) v1(17.04,76.58) v1(17.04,75.31) v1(17.04,74.04) v1(17.04,72.77) v1(17.04,71.5) v1(17.04,70.23) v1(17.04,68.96) v1(17.04,67.69) v1(17.04,66.42) v1(18.31,92.96) v1(18.31,91.69) v1(21.1,15.24) v1(22.88,92.96) v1(22.88,91.69) v1(24.15,92.96) v1(24.15,91.69) v1(25.42,92.96) v1(25.42,91.69) v1(26.69,92.96) v1(26.69,91.69) v1(27.45,15.24) v1(27.96,92.96) v1(27.96,91.69) v1(28.21,66.8) v1(28.21,65.53) v1(28.21,64.26) v1(28.21,62.99) v1(28.21,61.72) v1(28.21,60.45) v1(29.23,92.96) v1(29.23,91.69) v1(29.23,27.05) v1(29.23,25.78) v1(29.48,66.8) v1(29.48,65.53) v1(29.48,64.26) v1(29.48,62.99) v1(29.48,61.72) v1(29.48,60.45) v1(30.5,27.05) v1(30.5,25.78) v1(31.77,27.05) v1(31.77,25.78) v1(33.04,27.05) v1(33.04,25.78) v1(33.55,92.96) v1(33.55,91.69) v1(33.8,15.24) v1(34.31,27.05) v1(34.31,25.78) v1(34.82,92.96) v1(34.82,91.69) v1(35.58,27.05) v1(35.58,25.78) v1(36.09,92.96) v1(36.09,91.69) v1(36.85,27.05) v1(36.85,25.78) v1(37.61,79.12) v1(38.12,27.05) v1(38.12,25.78) v1(39.26,79.76) v1(39.39,91.19) v1(39.39,27.05) v1(39.39,25.78) v1(40.15,15.24) v1(40.66,27.05) v1(40.66,25.78) v1(40.91,93.47) v1(40.91,79.12) v1(41.93,27.05) v1(41.93,25.78) v1(42.69,91.19) v1(42.69,79.76) v1(44.47,93.47) v1(44.47,79.12) v1(45.99,91.19) v1(46.12,79.76) v1(46.5,15.24) v1(47.77,93.47) v1(47.78,79.12) v1(49.29,91.19) v1(49.55,79.63) v1(51.33,79.12) v1(51.58,93.47) v1(52.34,79.12) v1(52.34,66.8) v1(52.34,65.53) v1(52.34,64.26) v1(52.34,62.99) v1(52.34,61.72) v1(52.34,60.45) v1(52.85,15.24) v1(53.23,27.05) v1(53.23,25.78) v1(53.61,66.8) v1(53.61,65.53) v1(53.61,64.26) v1(53.61,62.99) v1(53.61,61.72) v1(53.61,60.45) v1(54.12,91.19) v1(54.12,79.76) v1(54.5,27.05) v1(54.5,25.78) v1(55.64,93.47) v1(55.77,79.12) v1(55.77,27.05) v1(55.77,25.78) v1(57.04,27.05) v1(57.04,25.78) v1(57.42,91.19) v1(57.42,79.76) v1(58.31,27.05) v1(58.31,25.78) v1(59.07,79.12) v1(59.2,93.47) v1(59.2,15.24) v1(59.58,27.05) v1(59.58,25.78) v1(60.72,91.19) v1(60.72,79.76) v1(60.85,27.05) v1(60.85,25.78) v1(62.12,27.05) v1(62.12,25.78) v1(62.5,93.47) v1(63.39,27.05) v1(63.39,25.78) v1(64.66,27.05) v1(64.66,25.78) v1(65.55,15.24) v1(65.93,27.05) v1(65.93,25.78) v1(71.9,15.24) v1(76.22,66.8) v1(76.22,65.53) v1(76.22,64.26) v1(76.22,62.99) v1(76.22,61.72) v1(76.22,60.45) v1(77.23,27.05) v1(77.23,25.78) v1(77.49,66.8) v1(77.49,65.53) v1(77.49,64.26) v1(77.49,62.99) v1(77.49,61.72) v1(77.49,60.45) v1(78.25,15.24) v1(78.5,27.05) v1(78.5,25.78) v1(79.77,27.05) v1(79.77,25.78) v1(81.04,27.05) v1(81.04,25.78) v1(82.31,27.05) v1(82.31,25.78) v1(83.58,27.05) v1(83.58,25.78) v1(84.6,15.24) v1(84.85,27.05) v1(84.85,25.78) v1(86.12,27.05) v1(86.12,25.78) v1(87.39,27.05) v1(87.39,25.78) v1(88.66,27.05) v1(88.66,25.78) v1(89.93,27.05) v1(89.93,25.78) v1(90.95,15.24) v1(97.3,15.24) v1(100.35,66.8) v1(100.35,65.53) v1(100.35,64.26) v1(100.35,62.99) v1(100.35,61.72) v1(100.35,60.45) v1(101.36,27.05) v1(101.36,25.78) v1(101.62,66.8) v1(101.62,65.53) v1(101.62,64.26) v1(101.62,62.99) v1(101.62,61.72) v1(101.62,60.45) v1(102.63,27.05) v1(102.63,25.78) v1(103.65,15.24) v1(103.9,27.05) v1(103.9,25.78) v1(105.17,27.05) v1(105.17,25.78) v1(106.44,27.05) v1(106.44,25.78) v1(107.71,27.05) v1(107.71,25.78) v1(108.98,27.05) v1(108.98,25.78) v1(110.02,15.22) v1(110.25,27.05) v1(110.25,25.78) v1(111.52,27.05) v1(111.52,25.78) v1(112.79,27.05) v1(112.79,25.78) v1(114.06,27.05) v1(114.06,25.78) v1(116.35,15.24) v1(122.7,15.24) v1(124.22,66.8) v1(124.22,65.53) v1(124.22,64.26) v1(124.22,62.99) v1(124.22,61.72) v1(124.22,60.45) v1(125.11,27.05) v1(125.11,25.78) v1(125.49,66.8) v1(125.49,65.53) v1(125.49,64.26) v1(125.49,62.99) v1(125.49,61.72) v1(125.49,60.45) v1(126.38,27.05) v1(126.38,25.78) v1(127.65,27.05) v1(127.65,25.78) v1(128.92,27.05) v1(128.92,25.78) v1(129.07,15.22) v1(130.19,27.05) v1(130.19,25.78) v1(131.46,27.05) v1(131.46,25.78) v1(132.73,27.05) v1(132.73,25.78) v1(134,27.05) v1(134,25.78) v1(135.27,27.05) v1(135.27,25.78) v1(135.42,15.22) v1(136.54,27.05) v1(136.54,25.78) v1(137.81,27.05) v1(137.81,25.78) v1(144.93,97.41) v1(150.64,2.29) v1(151.28,97.41) v1(151.28,88.2) v1(151.28,81.85) v1(151.28,75.5) v2(10.45,48.81) v2(25.8,49.78) v2(25.8,48.51) v2(27.07,49.78) v2(27.07,48.51) v2(30.37,49.78) v2(30.37,48.51) v2(31.64,49.78) v2(31.64,48.51) v2(39.52,49.78) v2(39.52,48.51) v2(40.79,49.78) v2(40.79,48.51) v2(44.09,49.78) v2(44.09,48.51) v2(45.36,49.78) v2(45.36,48.51) v2(49.93,49.78) v2(49.93,48.51) v2(51.2,49.78) v2(51.2,48.51) v2(54.5,49.78) v2(54.5,48.51) v2(55.77,49.78) v2(55.77,48.51) v2(63.65,49.78) v2(63.65,48.51) v2(64.91,49.78) v2(64.91,48.51) v2(68.22,49.78) v2(68.22,48.51) v2(69.49,49.78) v2(69.49,48.51) v2(73.81,49.78) v2(73.81,48.51) v2(75.08,49.78) v2(75.08,48.51) v2(78.38,49.78) v2(78.38,48.51) v2(79.65,49.78) v2(79.65,48.51) v2(87.52,49.78) v2(87.52,48.51) v2(88.79,49.78) v2(88.79,48.51) v2(92.09,49.78) v2(92.09,48.51) v2(93.36,49.78) v2(93.36,48.51) v2(97.94,49.78) v2(97.94,48.51) v2(99.21,49.78) v2(99.21,48.51) v2(102.51,49.78) v2(102.51,48.51) v2(103.78,49.78) v2(103.78,48.51) v2(111.65,49.78) v2(111.65,48.51) v2(112.92,49.78) v2(112.92,48.51) v2(116.22,49.78) v2(116.22,48.51) v2(117.49,49.78) v2(117.49,48.51) v2(121.81,49.78) v2(121.81,48.51) v2(123.08,49.78) v2(123.08,48.51) v2(126.38,49.78) v2(126.38,48.51) v2(127.65,49.78) v2(127.65,48.51) v2(135.53,49.78) v2(135.53,48.51) v2(136.8,49.78) v2(136.8,48.51) v2(140.1,49.78) v2(140.1,48.51) v2(141.37,49.78) v2(141.37,48.51) v2(143.34,89.28) v2(146.83,90.07) v2(150.26,90.07) v3(147.85,73.02) v3(149.37,73.02)
+VLOGIC_HB: length 10.2
  In2.Cu w0.5: v2(16.85,48.81) 19.72,48.81 v2(22.85,51.94)
  Bottom w0.25: U2.16 21.1,52.77 C4.1
  Bottom w0.5: 21.92,51.94 v2(22.85,51.94)
+VREF: length 162.7
  Top w0.2: 88.22,55.18 C139.1 ; 136.23,55.18 C173.1 ; 112.35,55.18 C156.1 ; 64.35,55.18 C122.1 ; 40.22,55.18 C105.1
  Top w0.5: 93.74,91.19 v2(94.51,90.42) ; 105.68,89.03 v2(105.68,89.98) ; 87.65,93.09 v2(87.65,94.05) ; 89.68,93.09 v2(89.68,94.05) ; 91.71,93.09 v2(91.71,94.05)
  In2.Cu w0.2: v2(88.16,55.12) 88.71,55.67 88.71,57.36 87.14,58.93 87.14,77.98 v2(88.66,79.5)
  In3.Cu w0.2: v2(91.2,88.39) 88.66,85.85 v2(88.66,79.5)
  In3.Cu w0.4: v2(136.16,55.12) 135.13,56.15 113.31,56.15 v2(112.29,55.12) 111.26,56.15 89.18,56.15 v2(88.16,55.12) 87.13,56.15 65.31,56.15 v2(64.28,55.12) 63.25,56.15 41.18,56.15 v2(40.15,55.12)
  Bottom w0.2: U12.1 111.71,54.55 v2(112.29,55.12) ; U4.13 95.03,89.9 v2(94.51,90.42) ; U13.1 135.59,54.55 v2(136.16,55.12) ; U10.1 63.71,54.55 v2(64.28,55.12) ; v2(40.15,55.12) 39.58,54.55 U9.1 ; v2(91.2,88.39) 91.2,87.57 92.69,86.09 U4.8 ; U11.1 87.58,54.55 v2(88.16,55.12)
/ALERTn_oc: length 151.3
  Top w0.2: 77.49,93.88 v2(77.49,95)
  Top w0.25: v3(13.73,56.64) 9.16,56.64 8.32,55.8 J2.B14
  In2.Cu w0.2: v2(101.87,96.01) 100.86,96.01 100.31,95.46 77.95,95.46 v2(77.49,95)
  In2.Cu w0.25: v3(13.73,56.64) 13.73,92.71 16.02,95 v2(77.49,95)
  In3.Cu w0.2: v2(102.25,86.11) 102.25,88.01 102.76,88.52 102.76,94.36 101.87,95.25 v2(101.87,96.01)
  Bottom w0.2: v2(102.25,86.11) 101.23,85.09 U4.25
/CI: length 19.1
  In2.Cu w0.2: v2(16.85,43.73) 17.33,43.73 24.1,50.5 24.1,54.2 23.1,55.2 23.1,56.1 23.64,56.64 v2(23.64,56.64)
  Bottom w0.25: U2.12 23,55.62 23.64,56.26 v2(23.64,56.64)
/CTN1: length 240.4
  Top w0.25: U3.6 141.31,78.8 145.37,74.74 v3(145.93,74.74) 147.66,74.74 148.61,73.79 v2(148.61,68.58)
  In2.Cu w0.2: v2(148.61,68.58) 148.61,67.94 149.33,67.22 149.33,6.65 146.41,3.72 20.62,3.72 17.61,6.73 17.61,30.51 v2(16.85,31.27)
  Bottom w0.2: R5.2 v3(145.93,74.74) 146.9,74.74
/CTN1_RTN: length 226.2
  Top w0.25: v3(147.85,72.02) v2(147.85,69.47)
  In2.Cu w0.2: 18.43,6.48 20.79,4.12 146.24,4.12 148.93,6.81 148.93,66.86 147.85,67.94 v2(147.85,69.47) ; 18.43,6.49 18.01,6.91 18.01,32.65 v2(16.85,33.81)
/CTN2: length 238
  Top w0.25: U3.8 142.58,80.33 142.79,80.12 v3(145.93,80.12) 150.13,75.91 v2(150.13,68.58)
  In2.Cu w0.2: v2(16.66,26.19) 16.66,6.54 20.28,2.92 146.74,2.92 150.13,6.32 v2(150.13,68.58)
  Bottom w0.2: R6.1 v3(145.93,80.12) 146.9,80.12
/CTN2_RTN: length 223.2
  Top w0.25: v3(149.37,72.02) v2(149.37,69.47)
  In2.Cu w0.2: v2(149.37,69.47) 149.37,68.07 149.73,67.71 149.73,6.48 146.57,3.32 20.46,3.32 17.21,6.56 17.21,28.37 v2(16.85,28.73)
/DB_RX: length 18.5
  Top w0.25: v3(15.26,53.59) 12.34,53.59 11.54,52.8 J2.B17
  In2.Cu w0.25: v3(15.26,53.59) v2(15.26,56.13)
  Bottom w0.2: v2(15.26,56.13) 15.27,56.12
  Bottom w0.25: 15.27,56.12 U2.6
/DB_TX: length 18.4
  In2.Cu w0.25: v3(16.27,55.37) v3(16.27,53.59)
  Bottom w0.25: v3(16.27,55.37) 17.11,55.37 17.36,55.62 U2.5 ; J2.A17 15.48,52.8 v3(16.27,53.59)
/FAN/FAN1_PWM: length 23.4
  Top w0.25: v2(137.18,84.07) 137.18,82.91 138.13,81.96
  In2.Cu w0.25: v2(137.18,84.07) 135.4,84.07 131.08,88.39 123.58,88.39 J6.4
  Bottom w0.5: 121.43,87.9 121.43,90.43
/FAN/FAN1_TACH: length 27.2
  Top w0.25: U3.2 v2(138.77,83.06)
  In2.Cu w0.25: J6.3 122.06,87.38 130.7,87.38 135.02,83.06 v2(138.77,83.06)
  Bottom w0.5: 118.89,87.91 118.89,90.43
/FAN/FAN2_PWM: length 9.3
  Top w0.25: v2(137.18,86.61) 137.21,86.58 U3.16
  In2.Cu w0.25: v2(137.18,86.61) 136.8,86.61 132.99,90.42
  Bottom w0.5: R10.1 132.99,90.42
/FAN/FAN2_TACH: length 13.9
  Top w0.25: U3.15 138.77,85.8 138.31,85.34 v2(137.18,85.34)
  In2.Cu w0.25: 130.45,90.42 135.53,85.34 v2(137.18,85.34)
  Bottom w0.5: R8.1 130.45,90.42
/ID0: length 299.7
  Top w0.25: U3.3 v2(139.4,77.47) 145.81,71.06 v2(145.81,68.58)
  Top w0.5: 110.76,87.88 v2(111.72,87.88)
  In2.Cu w0.2: v2(145.81,68.58) 145.81,68.27 148.13,65.95 148.13,7.14 145.91,4.92 21.13,4.92 18.81,7.24 18.81,37.09 16.3,39.6 16.3,50.2 15.5,51 13.79,51 v2(12.72,52.07)
  In2.Cu w0.25: v2(111.72,87.88) 115.34,84.26 129.75,84.26 136.54,77.47 v2(139.4,77.47)
  Bottom w0.25: J2.A18 3.72,52.07 v2(12.72,52.07)
/ID1: length 302.5
  Top w0.25: U3.4 v2(140.04,78.74) 140.04,77.79 146.83,70.99 v2(146.83,68.58) ; v2(11.96,51.31) 9.16,51.31 8.67,51.8 J2.B18
  Top w0.5: 110.76,91.44 v2(111.72,91.44)
  In2.Cu w0.2: v2(146.83,68.58) 146.83,67.94 148.53,66.24 148.53,6.98 146.07,4.52 20.97,4.52 18.41,7.07 18.41,36.89 15.9,39.4 15.9,50 15.3,50.6 12.8,50.6 12.09,51.31 v2(11.96,51.31)
  In2.Cu w0.25: v2(111.72,91.44) 112.54,90.62 112.54,89.15 115.59,86.11 130.57,86.11 137.94,78.74 139.97,78.74
